# Altium PCB Robot-MainBoard V4.0.PcbDoc (part 1 of 2)
Units mm, origin at the board's own origin, x right, y up, seen from the top; angles counter-clockwise.
Board outline 220 x 90 mm, 2 copper layers (Top Layer, Bottom Layer); 80 components, 69 nets, 291 pads, 118 vias.
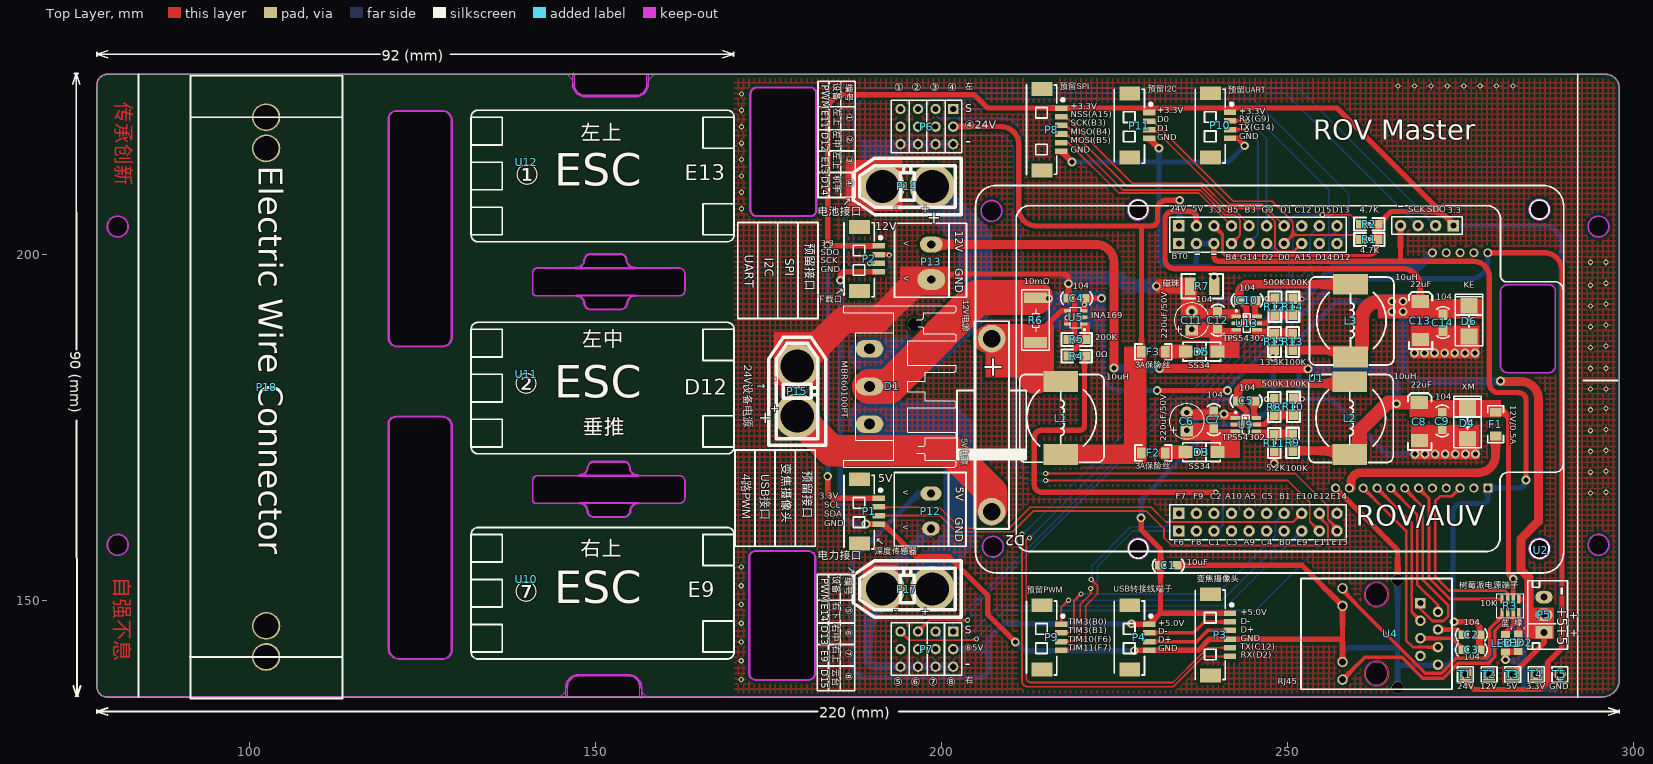
[diagram p0: Top Layer view]
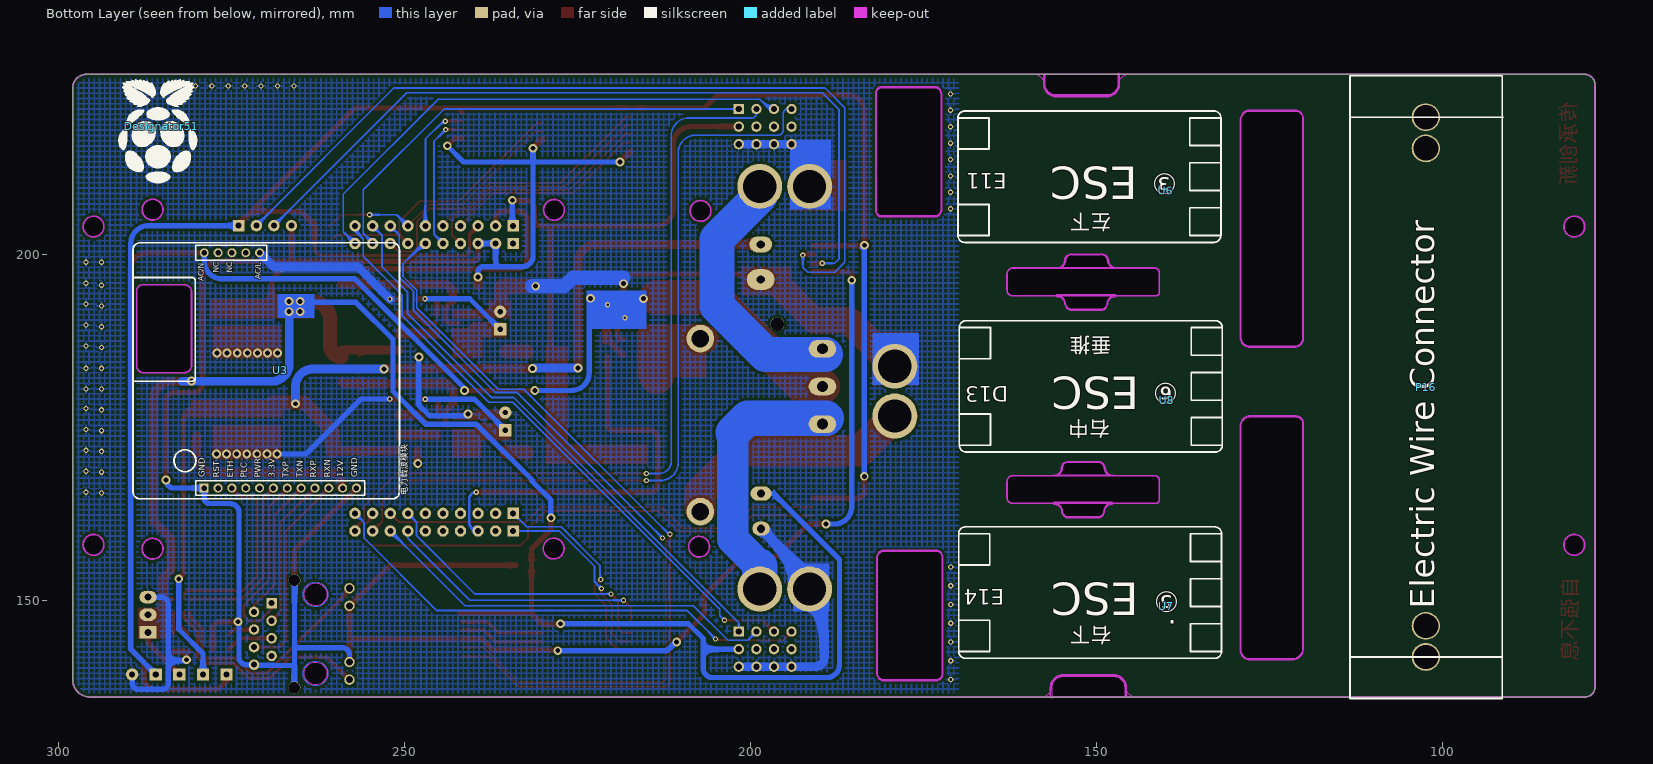
[diagram p1: Bottom Layer view, seen from below]

## Layer stack, top to bottom
Top Solder: solder mask 0.0102, Solder Resist, Dk 3.5
Top Layer: signal copper 0.0356
Dielectric 1: dielectric 0.32, FR-4, Dk 4.8
Bottom Layer: signal copper 0.0356
Bottom Solder: solder mask 0.0102, Solder Resist, Dk 3.5

## Board outline
79.5,136 cw(c79.5,137.5) 78,137.5 78,224.5 cw(c79.5,224.5) 79.5,226 296,226 cw(c296,224) 298,224 298,138.5 cw(c295.5,138.5) 295.5,136
cut-out: 147.242,197.873 ccw(c147.26,199.178) 147.403,197.881 ccw(c147.447,198.001) 147.447,197.873 155.651,197.873 ccw(c155.651,198.001) 155.779,198.001 ccw(c155.651,198.001) 155.654,198.128 ccw(c155.651,198.001) 155.651,198.128 155.654,198.128 cw(c155.673,199.165) 154.636,199.184 ccw(c154.508,199.187) 154.636,199.187 ccw(c154.508,199.187) 154.635,199.2 ccw(c153.632,199.098) 153.537,200.102 149.539,200.102 ccw(c149.39,199.022) 148.312,199.18 ccw(c148.438,199.161) 148.31,199.163 cw(c147.26,199.178) 147.246,198.128 ccw(c147.244,198.001)
cut-out: 147.725,167.876 ccw(c147.743,169.181) 147.886,167.884 ccw(c147.93,168.003) 147.93,167.876 156.134,167.876 ccw(c156.134,168.003) 156.261,168.003 ccw(c156.134,168.003) 156.136,168.131 ccw(c156.134,168.003) 156.134,168.131 156.136,168.131 cw(c156.155,169.168) 155.118,169.187 ccw(c154.991,169.189) 155.118,169.189 ccw(c154.991,169.189) 155.118,169.202 ccw(c154.114,169.1) 154.019,170.104 150.021,170.104 ccw(c149.873,169.024) 148.794,169.182 ccw(c148.92,169.164) 148.793,169.166 cw(c147.743,169.181) 147.728,168.131 ccw(c147.726,168.003)
cut-out: 147.725,167.876 ccw(c147.743,169.181) 147.886,167.884 ccw(c147.93,168.003) 147.93,167.876 156.134,167.876 ccw(c156.134,168.003) 156.261,168.003 ccw(c156.134,168.003) 156.136,168.131 ccw(c156.134,168.003) 156.134,168.131 156.136,168.131 cw(c156.155,169.168) 155.118,169.187 ccw(c154.991,169.189) 155.118,169.189 ccw(c154.991,169.189) 155.118,169.202 ccw(c154.114,169.1) 154.019,170.104 150.021,170.104 ccw(c149.873,169.024) 148.794,169.182 ccw(c148.92,169.164) 148.793,169.166 cw(c147.743,169.181) 147.728,168.131 ccw(c147.726,168.003)
cut-out: 148.361,192.814 ccw(c147.324,192.833) 148.361,192.833 ccw(c147.324,192.833) 147.343,193.87 cw(c147.345,193.997) 147.345,194.125 cw(c147.345,193.997) 147.348,194.125 147.345,194.125 155.55,194.125 cw(c155.55,193.997) 155.593,194.117 cw(c155.736,192.82) 155.755,194.125 cw(c155.753,193.997) 155.88,193.997 cw(c155.753,193.997) 155.751,193.87 ccw(c155.736,192.82) 154.686,192.835 ccw(c154.559,192.837) 154.686,192.837 154.686,192.835 cw(c154.559,192.837) 154.685,192.818 cw(c153.606,192.976) 153.458,191.897 149.46,191.897 cw(c149.365,192.9) 148.362,192.799 cw(c148.488,192.811)
cut-out: 148.818,162.816 ccw(c147.781,162.836) 148.818,162.836 ccw(c147.781,162.836) 147.8,163.873 cw(c147.803,164) 147.803,164.127 cw(c147.803,164) 147.805,164.127 147.803,164.127 156.007,164.127 cw(c156.007,164) 156.051,164.12 cw(c156.193,162.823) 156.212,164.127 cw(c156.21,164) 156.337,164 cw(c156.21,164) 156.208,163.873 ccw(c156.193,162.823) 155.144,162.838 ccw(c155.016,162.839) 155.144,162.839 155.144,162.838 cw(c155.016,162.839) 155.142,162.821 cw(c154.064,162.979) 153.915,161.899 149.917,161.899 cw(c149.822,162.903) 148.819,162.801 cw(c148.946,162.814)
cut-out: 141.468,194 cw(c141.468,194.5) 140.968,194.5 140.968,197.3 cw(c141.668,197.3) 141.668,198 162.122,198 cw(c162.122,197.154) 162.968,197.154 162.968,194.783 cw(c162.185,194.783) 162.185,194
cut-out: 141.468,164 cw(c141.468,164.5) 140.968,164.5 140.968,167.3 cw(c141.668,167.3) 141.668,168 162.122,168 cw(c162.122,167.154) 162.968,167.154 162.968,164.783 cw(c162.185,164.783) 162.185,164
cut-out: 157.688,225.901 157.688,224.549 cw(c155.912,224.549) 155.912,222.773 148.508,222.773 cw(c148.508,224.549) 146.733,224.549 146.733,226.001 cw(c146.86,226.001) 146.988,226.001 146.988,224.549 ccw(c148.508,224.549) 148.508,223.028 155.912,223.028 ccw(c155.912,224.549) 157.433,224.549 157.433,225.901 cw(c157.56,225.901)
cut-out: 157.688,225.901 ccw(c157.56,225.901) 157.56,226.028 146.985,226.028 ccw(c146.86,226.001) 146.733,226.001 146.733,224.549 ccw(c148.508,224.549) 148.508,222.773 155.912,222.773 ccw(c155.912,224.549) 157.688,224.549
cut-out: 159.182,226.009 ccw(c159.101,224.468) 157.56,224.549 cw(c155.912,224.549) 155.912,222.901 148.508,222.901 cw(c148.508,224.549) 146.86,224.549 ccw(c145.374,224.514) 145.339,226.001 145.347,226.009
cut-out: 144.247,135.992 ccw(c144.327,137.532) 145.868,137.452 cw(c147.516,137.452) 147.516,139.1 154.92,139.1 cw(c154.92,137.452) 156.568,137.452 ccw(c158.055,137.487) 158.09,136 158.081,135.992
cut-out: 145.741,136.1 ccw(c145.868,136.1) 145.868,135.973 156.444,135.973 ccw(c156.568,136) 156.695,136 156.695,137.452 ccw(c154.92,137.452) 154.92,139.227 147.516,139.227 ccw(c147.516,137.452) 145.741,137.452
cut-out: 145.741,136.1 145.741,137.452 cw(c147.516,137.452) 147.516,139.227 154.92,139.227 cw(c154.92,137.452) 156.695,137.452 156.695,136 cw(c156.568,136) 156.441,136 156.441,137.452 ccw(c154.92,137.452) 154.92,138.973 147.516,138.973 ccw(c147.516,137.452) 145.995,137.452 145.995,136.1 cw(c145.868,136.1)
cut-out: 120.073,187.892 120.073,219.609 cw(c121.291,219.609) 121.291,220.827 127.9,220.827 cw(c127.9,219.4) 129.32,219.542 cw(c129.2,219.5) 129.327,219.5 129.327,187.99 cw(c127.91,187.99) 127.91,186.573 121.392,186.573 cw(c121.392,187.892)
cut-out: 120.073,143.066 120.073,175.489 cw(c121.211,175.489) 121.211,176.627 128,176.627 cw(c128,176.5) 128.042,176.62 cw(c127.9,175.2) 129.327,175.2 129.327,142.79 cw(c127.91,142.79) 127.91,141.373 121.766,141.373 cw(c121.766,143.066)
cut-out: 205.782,206.296 ccw(c207.282,206.296) 207.282,204.796 ccw(c207.282,206.296) 208.782,206.296 ccw(c207.282,206.296) 207.282,207.796 ccw(c207.282,206.296)
cut-out: 205.975,157.725 cw(c207.475,157.725) 207.475,159.225 cw(c207.475,157.725) 208.975,157.725 cw(c207.475,157.725) 207.475,156.225 cw(c207.475,157.725)
cut-out: 81,202.5 cw(c81,204) 79.5,204 cw(c81,204) 81,205.5 cw(c81,204) 82.5,204 cw(c81,204)
cut-out: 81,156.5 cw(c81,158) 79.5,158 cw(c81,158) 81,159.5 cw(c81,158) 82.5,158 cw(c81,158)
cut-out: 173.415,205.385 cw(c173.415,206.438) 172.377,206.269 cw(c172.49,206.326) 172.363,206.326 172.363,223.151 cw(c173.43,223.151) 173.43,224.219 181.051,224.219 cw(c181.051,223.218) 182.052,223.218 182.052,206.326 cw(c181.925,206.326) 182.051,206.313 cw(c181.086,206.351) 181.086,205.385
cut-out: 172.191,139.367 172.191,156.259 cw(c172.318,156.259) 172.192,156.272 cw(c173.157,156.234) 173.157,157.2 180.828,157.2 cw(c180.828,156.147) 181.866,156.316 cw(c181.753,156.259) 181.88,156.259 181.88,139.434 cw(c180.813,139.434) 180.813,138.366 173.192,138.366 cw(c173.192,139.367)
cut-out: 293.5,158 ccw(c295,158) 295,156.5 ccw(c295,158) 296.5,158 ccw(c295,158) 295,159.5 ccw(c295,158)
cut-out: 293.5,204 ccw(c295,204) 295,202.5 ccw(c295,204) 296.5,204 ccw(c295,204) 295,205.5 ccw(c295,204)

## Design rules (kind name [scope] priority, off if disabled: settings)
Clearance [All] p1: gap=0.203
ComponentClearance [All] p1: gap=0 collisioncheckmode=3 verticalgap=0 showdistances=FALSE
DiffPairsRouting [All] p1: maxlimit=0.254 minlimit=0.254 mostfreqgap=0.254 toplayer_minwidth=0.381 toplayer_maxwidth=0.381 toplayer_prefwidth=0.381 bottomlayer_minwidth=0.381 bottomlayer_maxwidth=0.381 bottomlayer_prefwidth=0.381 maxuncoupledlength=12.7
PolygonConnect [All] p1: connectstyle=Relief reliefconductorwidth=0.254 reliefentries=4 polygonreliefangle="90 Angle" airgapwidth=0.254
RoutingVias [All] p1: holewidth=0.711 width=1.27 viastyle="Through Hole" minholewidth=0.711 minwidth=1.27 maxholewidth=0.711 maxwidth=1.27
SolderMaskExpansion [All] p1: expansion=0.102
Width [All] p1: maxlimit=5.08 minlimit=0.254 preferedwidth=0.254
28 further rules are at their usual default settings.

## Classes and differential pairs
component class "Robot-Power V4.0": C3 C5 C6 C7 C8 C9 C10 C11 C12 C13 C14 D1 D3 D4 D5 D6 F2 F3 L1 L2 L3 P14 P15 P16 P17 P18 R4 R5 R6 R7 R8 R9 R10 R11 R12 R13 R14 R15 T1 T2 T3 T4 T5 U5 U6 U7 U8 U9 U10 U11 U12 U13 U?
component class "Robot-Control V4.0": C1 C2 C3 F1 LED1 LED2 P1 P2 P3 P4 P5 P6 P7 P8 P9 P10 P11 P12 P13 R1 R2 R3 U1 U2 U3 U4
differential pair EPHY_TX: +EPHY_TX_P -EPHY_TX_N
differential pair EPHY_RX: +EPHY_RX_P -EPHY_RX_N

## Components (designator, comment, footprint, x,y, rotation, side; value= is the part's Value field where it differs from the comment)
C1 "10uF" 0805C 233.858,155.042 r180 top
C2 "104" 0805C 277.659,145 r180 top
C3 "104" 0805C 277.659,142.841 r180 top
C4 "104" 0805C 218.547,193.624 r0 top
C5 "104" 0805C 243.052,178.791 r0 top
C6 "220uF/50V" RB.1.2 235.482,174.574 r90 top
C7 "104" 0805C 239.394,177.114 r270 top
C8 "22uF" TAJ-C 269.112,178.562 r90 top
C9 "104" 0805C 272.414,174.879 r90 top
C10 "104" 0805C 243.204,193.319 r0 top
C11 "220uF/50V" RB.1.2 236.219,189.154 r90 top
C12 "104" 0805C 239.953,191.491 r270 top
C13 "22uF" TAJ-C 269.239,193.167 r90 top
C14 "104" 0805C 272.516,189.103 r90 top
D1 "MBR60100PT" TO-247LS 196.2,189.875 r270 top
D2 "二极管" 二极管(大功率) 207.3,172.8 r270 top
D3 "SS34" SMA/DO-214AC 235.508,171.374 r0 top
D4 "XM" SMBJ 276.097,173.355 r180 top
D5 "SS34" SMA/DO-214AC 235.533,185.903 r0 top
D6 "KE" SMBJ 276.326,188.112 r180 top
Designator51 "Comment" "Raspberry Pi LOGO" 285.2,218.5 r0 bottom
F1 "12V/0.5A" FUSE-1206 280.175,177.125 r270 top
F2 "3A保险丝" FUSE-1206 228.98,171.323 r0 top
F3 "3A保险丝" FUSE-1206 228.98,185.928 r0 top
L1 "10uH" CDRH124 215.113,179.121 r270 top
L2 "10uH" CDRH124 256.896,179.095 r270 top
L3 "10uH" CDRH124 256.997,193.192 r270 top
LED1 "蓝" 0805LED(RED) 281.7,144.998 r270 top
LED2 "绿" 0805LED(RED) 283.515,145.034 r270 top
P1 "深度传感器" MX1.25WS-4P 188.265,167.513 r270 top
P2 "下载口" MX1.25WS-4P 188.265,203.987 r270 top
P3 "变焦摄像头" MX1.25WS-6P 239.014,150.8 r270 top
P4 "USB转接线端子" MX1.25WS-4P 227.33,149.306 r270 top
P5 "树莓派电源端子" XH3/2.54mm/180 287.2,145.4 r90 top
P6 "左" "Header 4X3" 201.76,220.98 r180 top
P7 "右" "Header 4X3" 201.76,145.466 r180 top
P8 "预留SPI" MX1.25WS-6P 214.63,223.799 r270 top
P9 "预留PWM" MX1.25WS-4P 214.63,149.306 r270 top
P10 "预留UART" MX1.25WS-4P 239.014,223.291 r270 top
P11 "预留I2C" MX1.25WS-4P 227.33,223.266 r270 top
P12 "5V电源" KF128-2P#1 198.501,165.557 r270 top
P13 "12V电源" KF128-2P#2 198.55,201.55 r270 top
P14 "电池接口" XT60-F 199.2,209.8 r180 top
P15 "24V设备电源" XT60-F 179.197,176.124 r90 top
P16 "7位一体接线端子排" 7/8一体接线端子 113.106,135.788 r90 bottom
P17 "电力接口" XT60-F 199.2,151.613 r180 top
P18 "7位一体接线端子排" 7/8一体接线端子 113.2,225.8 r270 top
R1 "4.7K" 0805R 262.915,202.159 r180 top
R2 "4.7K" 0805R 262.89,204.368 r180 top
R3 "10K" 排阻(4位贴片) 283.464,150.114 r270 top
R4 "0Ω" 0805R 220.6,185.3 r180 top
R5 "200K" 0805R 220.605,187.706 r180 top
R6 "10mΩ" 2512R 213.67,187.274 r90 top
R7 "磁珠" 1210R 236.017,195.377 r0 top
R8 "500K" 0805R 248.157,176.886 r90 top
R9 "100K" 0805R 250.773,173.761 r270 top
R10 "100K" 0805R 250.875,178.968 r270 top
R11 "5.2K" 0805R 248.157,171.679 r90 top
R12 "500K" 0805R 248.259,191.389 r90 top
R13 "100K" 0805R 250.773,188.341 r270 top
R14 "100K" 0805R 250.799,193.421 r270 top
R15 "13.3K" 0805R 248.208,186.284 r90 top
T1 "24V" "HEADER 1"#1 275.895,139.268 r0 top
T2 "12V" "HEADER 1"#1 279.305,139.268 r0 top
T3 "5V" "HEADER 1"#1 282.715,139.268 r0 top
T4 "3.3V" "HEADER 1"#1 286.125,139.268 r0 top
T5 "GND" "HEADER 1"#2 289.535,139.268 r0 top
U1 "ROV/AUV" ROV_CONTROLLER 247.091,183.896 r0 top locked
U2 "" "Raspberry Pi 外框" 286.639,157.226 r180 top locked
U3 "电力载波模块" 电力载波模块6410 289.281,165.151 r90 bottom locked
U4 "RJ45" RJ45 262.89,139.192 r90 top
U5 "INA169" SOT23-5 220.681,189.967 r90 top
U6 "电调外框" 电调外框 140.068,209.2 r0 bottom locked
U7 "电调外框" 电调外框 139.968,149.1 r0 bottom locked
U8 "电调外框" 电调外框 139.868,178.9 r0 bottom locked
U9 "TPS54302" SOT23-6 242.594,176.352 r0 top
U10 "电调外框" 电调外框 140.068,153 r0 top locked
U11 "电调外框" 电调外框 140.068,182.65 r0 top locked
U12 "电调外框" 电调外框 140.068,213.3 r0 top locked
U13 "TPS54302" SOT23-6 242.696,191.008 r0 top

## Footprints (in the part's own frame and the unit in brackets; to place one, negate y for a bottom-side part, rotate by r counter-clockwise, add the part's x,y. Pads: shape width x height; smd on the part's side, far side on the other; paste and mask are expansions set on the pad)
7/8一体接线端子 [mm]
  round 4 hole 3.5: 0(6,-10.7) 0(10.5,-10.7) 0(79.5,-10.7) 0(84,-10.7)
  silkscreen extent 0,-21.8 90,0.3
0805C [mil]
  rect 60x50 smd: 1(-5,0) 2(85,0)
  silkscreen extent -50,-35 131,36, body extent -16,-26 102,29, height 37
0805LED(RED) [mil]
  rect 40x50 smd: 1(-2.98,-4.95) 2(97.02,-4.95)
  silkscreen extent -37,-25 70,31, body extent 13,-25 80,11, height 35
0805R [mil]
  rect 60x50 smd: 1(-4.51,1.2) 2(85.49,1.2)
  silkscreen extent -46,-36 126,37, body extent -1,-23 78,26, height 18
1210R [mil]
  rect 60x100 smd: 1(0,0) 2(135,0)
  silkscreen extent -50,-70 185,70, body extent -12,-49 146,49, height 67
2512R [mil]
  rect 61x129.92 smd: 1(-1.11,1) 2(253.89,1)
  silkscreen extent -45,-78 298,80, body extent 2,-64 251,62, height 24
CDRH124 [mm]
  rect 3x5 smd: 1(-2.469,2.159) 2(8.057,2.159)
  silkscreen extent -3.51,-3.76 9.19,8.43, body extent -3.11,-3.77 8.89,8.23, height 4.55
FUSE-1206 [mil]
  rect 50x65 smd: 1(-1,-2) 2(134,-2)
  silkscreen extent -39,-47 172,43, body extent 1,-36 127,28, height 34
"HEADER 1"#1 [mil]
  rect 70x70 hole 35: 1(-5,0)
  silkscreen extent -50,-45 40,44
"HEADER 1"#2 [mil]
  round 70 hole 35: 1(-5,0)
  silkscreen extent -50,-45 40,44
"Header 4X3" [mm]
  rect 1.5x1.5 hole 0.9: 1(0.025,0)
  round 1.5 hole 0.9: 2(0.025,2.54) 3(0.025,5.08) 4(2.565,0) 5(2.565,2.54) 6(2.565,5.08) 7(5.105,0) 8(5.105,2.54) 9(5.105,5.08) 10(7.645,0) 11(7.645,2.54) 12(7.645,5.08)
  silkscreen extent -1.24,-1.27 9,6.35, body extent -1.24,-1.27 8.92,6.35, height 7.58
KF128-2P#1 [mil]
  oval 80x120 hole 47.24: 1(5.28,0.94)
  oval 80x100 hole 47.24: 2(205.28,0.94)
  silkscreen extent -115,-208 305,201, body extent -115,-211 305,203, height 557
KF128-2P#2 [mil]
  oval 90x130 hole 47.24: 1(5.28,0.94)
  oval 118.11x157.48 hole 47.24: 2(205.28,0.94)
  silkscreen extent -115,-208 305,201, body extent -115,-211 305,203, height 557
MX1.25WS-4P [mm]
  rect 2x3 smd: 0(0.042,-0.076) 0(9.306,-0.076)
  rect 0.8x1.778 smd: 1(2.785,2.734) 2(4.035,2.734) 3(5.285,2.734) 4(6.535,2.734)
  silkscreen extent -0.56,-2.3 10.12,3.17, body extent -0.47,-2.04 9.68,3.15, height 3.4
MX1.25WS-6P [mm]
  rect 2x3 smd: 0(-0.065,-0.076) 0(11.699,-0.076)
  rect 0.8x1.778 smd: 1(2.678,2.734) 2(3.928,2.734) 3(5.178,2.734) 4(6.428,2.734) 5(7.678,2.734) 6(8.928,2.734)
  silkscreen extent -0.67,-2.3 12.27,3.17, body extent -0.43,-2.29 12.22,2.9, height 3.4
"Raspberry Pi LOGO" [mm]
  silkscreen extent -5.23,-6.73 6.2,8.28
"Raspberry Pi 外框" [mm]
  Keep-Out Layer circle w0.254: c0.177,-0.212 r1.5
  Keep-Out Layer circle w0.254: c0.177,-49.208 r1.5
  Keep-Out Layer circle w0.254: c58.191,-49.183 r1.5
  Keep-Out Layer circle w0.254: c58.14,-0.237 r1.5
  Keep-Out Layer board cut-out: -1.323,-0.212 -1.209,0.362 -0.884,0.849 -0.397,1.174 0.177,1.288 0.177,1.288 0.751,1.174 1.238,0.849 1.563,0.362 1.677,-0.212 1.677,-0.212 1.563,-0.786 1.238,-1.272 0.751,-1.597 0.177,-1.712 0.177,-1.712 -0.397,-1.597 -0.884,-1.272 -1.209,-0.786 -1.323,-0.212
  Keep-Out Layer board cut-out: -1.323,-49.208 -1.209,-48.634 -0.884,-48.148 -0.397,-47.822 0.177,-47.708 0.177,-47.708 0.751,-47.822 1.238,-48.148 1.563,-48.634 1.677,-49.208 1.677,-49.208 1.563,-49.782 1.238,-50.269 0.751,-50.594 0.177,-50.708 0.177,-50.708 -0.397,-50.594 -0.884,-50.269 -1.209,-49.782 -1.323,-49.208
  Keep-Out Layer board cut-out: 56.691,-49.183 56.805,-48.609 57.13,-48.122 57.617,-47.797 58.191,-47.683 58.191,-47.683 58.765,-47.797 59.251,-48.122 59.577,-48.609 59.691,-49.183 59.691,-49.183 59.577,-49.757 59.251,-50.244 58.765,-50.569 58.191,-50.683 58.191,-50.683 57.617,-50.569 57.13,-50.244 56.805,-49.757 56.691,-49.183
  Keep-Out Layer board cut-out: 56.64,-0.237 56.754,0.337 57.079,0.824 57.566,1.149 58.14,1.263 58.14,1.263 58.714,1.149 59.201,0.824 59.526,0.337 59.64,-0.237 59.64,-0.237 59.526,-0.811 59.201,-1.298 58.714,-1.623 58.14,-1.737 58.14,-1.737 57.566,-1.623 57.079,-1.298 56.754,-0.811 56.64,-0.237
  silkscreen extent -3.33,-52.72 81.67,3.28
RB.1.2 [mil]
  rect 70x70 hole 30: 1(0,0)
  round 70 hole 30: 2(100,0)
  silkscreen extent -50,-100 150,100, body extent -28,-73 130,85, height 278
RJ45 [mm]
  rect 1.524x1.524 hole 0.889: 1(10.38,-6.369)
  round 1.524 hole 0.889: 2(9.11,-8.909) 3(7.84,-6.369) 4(6.57,-8.909) 5(5.3,-6.369) 6(4.03,-8.909) 7(2.76,-6.369) 8(1.49,-8.909)
  round 1.5 hole 1.02: 9(12.53,4.881) 10(9.994,4.881) 11(1.866,4.881) 12(-0.67,4.881)
  round 1.7 hole 1.65: 13(13.68,-3.067) 14(-1.82,-3.067)
  round 2.95 hole 3.25: MH3(0.214,-0.032) MH3(11.644,-0.032)
  Keep-Out Layer circle w0.051: c11.646,-0.019 r1.65
  Keep-Out Layer circle w0.051: c0.216,-0.019 r1.65
  Multi-Layer circle w0.127: c0.214,-0.032 r1.798
  Multi-Layer circle w0.127: c11.644,-0.032 r1.798
  silkscreen extent -2.07,-10.94 13.93,10.9, body extent -2.09,-10.6 13.79,10.8, height 14
ROV_CONTROLLER [mil]
  rect 65x65 hole 34: 1(-502.07,694.74) 20(-502.07,795.13) 41(-502.07,-941.03) 60(-502.07,-840.64) 61(1059.8,796.2)
  round 65 hole 34: 2(-402.07,694.74) 3(-302.07,694.74) 4(-202.07,694.74) 5(-102.27,694.74) 6(-2.27,694.74) 8(197.54,694.74) 10(397.93,694.74) 11(397.93,795.13) 13(197.54,795.13) 15(-2.27,795.13) 16(-102.27,795.13) 17(-202.07,795.13) 18(-302.07,795.13) 19(-402.07,795.13) 42(-402.07,-941.03) 43(-302.07,-941.03) 44(-202.07,-941.03) 45(-102.27,-941.03) 46(-2.27,-941.03) 48(197.54,-941.03) 50(397.93,-941.03) 51(397.93,-840.64) 53(197.54,-840.64) 55(-2.27,-840.64) 56(-102.27,-840.64) 57(-202.07,-840.64) 58(-302.07,-840.64) 59(-402.07,-840.64) 62(959.8,796.2) 63(859.8,796.2) 64(759.8,796.2)
  round 65 hole 34 paste+0: 7(97.54,694.74) 9(297.93,694.74) 12(297.93,795.13) 14(97.54,795.13) 47(97.54,-941.03) 49(297.93,-941.03) 52(297.93,-840.64) 54(97.54,-840.64)
  silkscreen extent -1427,-1058 1685,910, body extent -561,-989 1109,844, height 335
SMA/DO-214AC [mm]
  rect 2x1.75 smd: 1(-0.178,0.025) 2(4.422,0.025)
  silkscreen extent -0.58,-1.32 4.82,1.38, body extent -0.38,-1.32 4.73,1.35, height 2.12
SMBJ [mil] "TVS瞬态抑制二极管"
  rect 98x90 smd: 1(1.65,0.6) 2(1.65,-174.4)
  silkscreen extent -77,-240 80,52, body extent -50,-196 55,5, height 83
SOT23-5 [mm]
  rect 0.5x1 smd: 1(-0.051,0.051) 2(0.899,0.051) 3(1.849,0.051) 4(1.849,2.451) 5(-0.051,2.451)
  silkscreen extent -0.99,-0.15 2.4,2.05, body extent -0.55,-0.15 2.35,2.65, height 1.09
SOT23-6 [mm]
  rect 1.4x0.55 smd: 1(-0.051,-0.025) 2(-0.051,-0.975) 3(-0.051,-1.925) 4(2.949,-1.925) 5(2.949,-0.975) 6(2.949,-0.025)
  silkscreen extent -0.15,-2.31 1.96,0.91, body extent 0.07,-2.47 2.88,0.53, height 1.15
TAJ-C [mm]
  rect 1.905x2.5 smd: 1(0,0) 2(-5.505,-0.025)
  silkscreen extent -6.86,-1.73 1.35,1.65, body extent -5.77,-1.68 0.22,1.52, height 2.6
TO-247LS [mm]
  round 2 hole 2: 0(-0.008,-0.02)
  round 0 all layers, no hole: 0(17.992,-0.02)
  oval 2.54x4 hole 1.575: 1(3.542,-6.552) 2(8.992,-6.552) 3(14.442,-6.552)
  silkscreen extent -2.71,-10.25 20.69,5.95, body extent -2.46,-10.33 20.44,6.07, height 30.62
XH3/2.54mm/180 [mm]
  rect 1.8x2.5 hole 1: 1(-0.045,0.08)
  oval 1.8x2.5 hole 1: 2(2.495,0.08) 3(5.035,0.08)
  silkscreen extent -2.5,-3.32 7.4,2.43, body extent -2.5,-3.32 7.4,2.43, height 7
XT60-F [mm]
  round 6.5 hole 4.8: 1(0.489,0) 2(7.689,0)
  silkscreen extent -3.71,-4.1 11.89,4.1, body extent -3.81,-4.06 12.09,4.09, height 16.5
二极管(大功率) [mm]
  round 4 hole 2.5: 1(-15,0) 2(10,0)
  silkscreen extent -17.5,-5 12.5,5
排阻(4位贴片) [mm]
  rect 1.22x0.45 smd: 1(-0.051,0.013) 2(1.869,0.013) 3(-0.051,-0.787) 4(1.869,-0.787) 5(-0.051,-1.587) 6(1.869,-1.587) 7(-0.051,-2.387) 8(1.869,-2.387)
  silkscreen extent -0.81,-3.14 2.64,0.76, body extent 0.1,-2.79 1.7,0.41, height 0.59
电力载波模块6410 [mm]
  round 1.3 hole 0.8: 0(35.059,-16.289) 2(1.059,-12.289) 3(1.059,-14.289) 4(1.059,-16.289) 5(1.059,-18.289) 6(1.059,-20.289) 7(1.059,-22.289) 8(1.059,-24.289) 9(1.059,-26.289) 10(1.059,-28.289) 11(1.059,-30.289) 12(1.059,-32.289) 13(35.059,-18.289) 14(35.059,-14.289) 15(35.059,-12.289) 16(35.059,-10.289)
  rect 1.3x1.3 hole 0.8: 1(1.059,-10.289)
  Keep-Out Layer board cut-out: 17.729,-7.417 17.729,-1.46 17.8,-1.106 18.001,-0.805 18.301,-0.604 18.656,-0.533 18.656,-0.533 29.567,-0.533 29.567,-0.533 29.998,-0.649 30.314,-0.965 30.429,-1.396 30.429,-1.396 30.429,-7.404 30.349,-7.808 30.121,-8.15 29.779,-8.378 29.375,-8.458 29.375,-8.458 18.771,-8.458 18.372,-8.379 18.034,-8.153 17.808,-7.815 17.729,-7.417
  Keep-Out Layer lines w0.254: 18.771,-8.458 cw(c18.771,-7.417) 17.729,-7.417 17.729,-1.46 cw(c18.656,-1.46) 18.656,-0.533 29.567,-0.533 cw(c29.567,-1.396) 30.429,-1.396 30.429,-7.404 cw(c29.375,-7.404) 29.375,-8.458 18.771,-8.458
  silkscreen extent -0.5,-38.5 36.5,0, body extent -0.15,-33.42 36.3,-8.87, height 4.35
电调外框 [mm]
  silkscreen extent -8,-11.5 30,7.5

## Part data
C1 C2 C3 C4 C5 C7 C9 C10 C12 C14: library part Cap1, "无极贴片电容"
C6 C11: library part Cap3, "直插极性电容"
C8 C13: library part "Pol Cap", "极性贴片电容"
D2: library part Diode
D3 D4 D5 D6: library part Diode, "二极管"
F1 F2 F3: library part Fuse, "保险丝"
L1 L2 L3: library part L, "电感"
LED1 LED2: library part LED, "发光二极管"
P1 P2 P4 P9 P10 P11: library part 接线端子-4PIN, "4PIN"
P3 P8: library part 接线端子-6PIN, "6PIN"
P5: library part 接线端子-3PIN, "3PIN"
P6 P7: library part "Header 4X3"
P12 P13 P17: library part 接线端子-2PIN, "2PIN"
P14: library part 电源端子
P15: library part 推进器电源
R1 R2 R4 R5 R6 R7 R8 R9 R10 R11 R12 R13 R14 R15: library part Res, "电阻"
R3: library part Res-4, "排阻"
T1 T2 T3 T4 T5: library part 测试点, "测试点"
U1: library part ROV_Controler
U2: library part "Raspberry Pi 外框"
U3: library part 电力载波模块6410
U6 U7 U8 U10 U11 U12: library part 电调

## Via types
v1: diameter 0.762, hole 0.406, Top Layer to Bottom Layer, 58 vias
v2: diameter 1.27, hole 0.711, Top Layer to Bottom Layer, 49 vias
v3: diameter 0.762, hole 0.381, Top Layer to Bottom Layer, 11 vias

## Nets (pads, with @x,y where several pads share a name; then routed paths per layer and width w, separated by ;. In a path a pad name is that pad's centre, name@x,y a point inside that pad or via, vN(x,y) a via of type N, cw(c..) or ccw(c..) an arc to the next point about the centre after c; other vN are vias at no path point)
3.3V: P1.1 P2.1 P8.1 P10.1 P11.1 R1.1 R2.1 T4.1 U1.18 U1.61 | length 292.9
  Top Layer w0.457: 240.653,202.858 240.676,202.835 240.676,200.192 241.046,199.822 261.957,199.822 ccw(c261.957,200.895) 263.03,200.895 R1.1@263.03,202.128
  Top Layer w0.508: U1.18@239.419,204.092 240.653,202.858
  Top Layer w0.762: v2(183.6,167.9) 183.6,165.365 184.237,164.728 P1.1@190.999,164.728 ; P2.1@190.999,201.203 183.684,201.203 cw(c183.684,201.295) v2(183.591,201.295) 183.591,220.523 cw(c186.131,220.523) 186.131,223.063 204.749,223.063 206.691,221.122 P8.1@217.364,221.122 257.211,221.122 272.161,206.172 ; P10.1@241.748,220.507 242.298,221.056 ; R2.1@263.005,204.338 R2.1@263.03,204.338 ; R1.1@263.03,202.128 R2.1@263.03,204.338 ; U1.61@274.01,204.12 274.01,204.323 272.161,206.172 ; R2.1@263.03,204.338 263.164,204.338 264.998,206.172 272.161,206.172
  Bottom Layer w0.762: v2(183.591,201.295) 183.566,201.27 183.9,200.935 183.6,200.635 v2(183.6,167.9) ; U1.61@274.01,204.12 287.06,204.12 cw(c287.06,201.58) 289.6,201.58 289.6,142.871 T4.1@285.998,139.268
5.0V: C1.2 C13.1 C14.2 D6.2 L3.2 P3.1 P4.1 P5.1 P5.2 P7.2 P12.1 R3.1 R13.2 T3.1 U1.19 | length 328.3
  Top Layer w0.508: R3.1@283.477,150.165 284.85,150.165 284.937,150.078
  Top Layer w0.762: v2(227.5,146.6) 227.579,146.521 P4.1@230.064,146.521 231.7,148.157 ; v2(228.9,161.9) 228.9,160.216 231.7,157.416 231.7,148.157 ; U1.19@236.879,204.092 236.879,205.262 ccw(c235.943,205.262) 235.943,206.197 233.434,206.197 ccw(c233.434,205.122) 232.359,205.122 232.359,199.246 ccw(c233.688,199.246) 233.688,197.917 238.915,197.917 238.941,197.942 239.951,197.942 239.976,197.917 266.699,197.917 cw(c266.699,195.377) 269.239,195.377 C13.1@269.239,193.167 ; P3.1@242.1,148.122 231.735,148.122 231.7,148.157 ; T3.1@282.588,139.268 287.12,143.8 P5.1@287.12,145.355
  Top Layer w1.27: R13.2@250.804,186.17 L3.2@259.156,186.17 ; v2@280.848,181.61 283.769,181.61 cw(c283.769,179.07) 286.309,179.07 286.309,161.392 283.794,158.877 283.794,154.407 284.937,153.264 284.937,150.078 284.937,145.186 ; P5.1@287.12,145.355 P5.2@287.12,147.895
  Top Layer w2.032: L3.2@259.156,185.135 ccw(c259.156,186.786) 260.688,186.17 ccw(c259.156,186.786) 260.807,186.786 260.807,190.627 cw(c263.347,190.627) 263.347,193.167 C13.1@269.239,193.167
  Bottom Layer w0.762: P12.1@198.525,165.423 196.741,165.423 187.198,155.88 187.198,140.665 ccw(c189.052,140.665) 189.052,138.811 205.537,138.811 ccw(c205.537,140.157) 206.883,140.157 206.883,142.9 ; P7.2@201.735,142.926 ccw(c201.76,142.926) 201.76,142.9 206.883,142.9 ; v2(227.5,146.6) 209.04,146.6 206.883,144.443 206.883,142.9 ; v2(228.9,161.9) 228.9,164.458 231.7,167.258 231.597,167.361 239.649,175.412 246.939,175.412 251.714,180.188 251.714,187.706 257.048,193.04 v2@266.624,193.04
  Bottom Layer w1.27: v2@266.7,192.634 266.7,184.175 ccw(c269.24,184.175) 269.24,181.635 282.194,181.635
  other v2: 280.848,181.686 265.125,191.694 266.751,191.694 265.125,193.192 266.751,193.192
12.0V: C8.1 C9.2 D4.2 F1.1 L2.2 P13.1 R3.3 R9.2 T2.1 | length 155.8
  Top Layer w0.508: R3.3@282.677,150.165 v2(282.677,153.086)
  Top Layer w0.762: 279.121,177.724 280.238,177.724 cw(c280.238,175.971) 281.991,175.971 281.991,153.772 v2(282.677,153.086)
  Top Layer w1.27: P13.1@198.574,201.416 222.402,201.416 cw(c222.402,198.876) 224.942,198.876 224.993,198.825 v2(224.993,183.54) ; v2(231.572,183.464) v2@253.009,183.464 ; R9.2@250.804,171.59 L2.2@260.452,171.59
  Top Layer w2.032: L2.2@260.452,171.59 260.452,174.447 264.566,178.562 C8.1@269.112,178.562
  Bottom Layer w0.762: T2.1@279.178,139.268 279.178,142.297 282.677,145.796 v2(282.677,153.086)
  Bottom Layer w1.27: v2(224.993,183.54) v2@231.343,183.54 ; v2(253.009,183.413) 263.271,183.413 cw(c263.271,180.873) 265.811,180.873 v2(265.811,178.384)
24.0V: F2.1 F3.1 L1.2 P6.2 U1.20 | length 69.5
  Top Layer w0.762: P6.2@201.735,218.44 208.66,218.44 cw(c208.66,215.9) 211.2,215.9 211.2,206.632 ccw(c213.74,206.632) 213.74,204.092 230.373,204.092 ccw(c230.373,204.987) 231.268,204.987 231.268,206.488 cw(c232.577,206.488) 232.577,207.797 v2(234.467,207.797) ; F3.1@228.955,185.877 228.955,204
  Bottom Layer w0.762: U1.20@234.339,204.092 234.467,204.221 v2(234.467,207.797)
BATTERY_24V: D1.1 P14.1 | length 38.5
  Bottom Layer w5.08: D1.1@189.2,185.5 197.9,185.5 204.9,192.5 204.9,202.2 198.711,208.389 P14.1@198.711,209.8
CAMERA_USB_D+: P3.3 P4.3 | length 12.3
  Top Layer w0.508: P4.3@230.064,144.021 236.927,144.021 238.528,145.622 P3.3@241.748,145.622
CAMERA_USB_D-: P3.2 P4.2 | length 12.3
  Top Layer w0.508: P4.2@230.064,145.271 236.471,145.271 238.072,146.872 P3.2@241.748,146.872
CURRENT_COLLECT(C1): R4.1 U1.43 | length 58.9
  Top Layer w0.762: R4.1@220.715,185.269 220.715,175.223 cw(c220.04,175.223) 220.04,174.549 214.478,174.549 ccw(c214.478,173.533) 213.462,173.533 213.462,166.689 ccw(c214.551,166.689) 214.551,165.6 v3(239.7,165.6)
  Bottom Layer w0.381: U1.43@239.419,159.994 ccw(c239.419,161.275) 240.7,161.275 240.7,164.6 ccw(c239.7,164.6) v3(239.7,165.6)
DGND: C1.1 C2.1 C3.1 P1.4 P2.4 P3.4 P4.4 P8.6 P10.4 P11.4 R7.2 U1.2 U1.3 U1.64 U3.1 U3.12 U4.8 U4.10 U4.11 U4.13 U4.14 | length 398.4
  Top Layer w0.762: v2(185.42,196.24) 185.42,196.995 cw(c185.877,196.995) 185.877,197.453 P2.4@190.999,197.453 ; v2(189.154,161.011) 190.967,161.011 cw(c190.967,160.978) P1.4@190.999,160.978 191.726,160.978 196.444,156.261 201.168,156.261 206.731,150.698 206.731,147.93 v2(210.718,143.942) ; P8.6@217.364,214.872 v2(218.923,213.313) ; v2(227.9,142.7) 227.971,142.771 P4.4@230.064,142.771 237.171,142.771 238.772,144.372 P3.4@241.748,144.372 ; P11.4@230.064,216.731 v2(231.48,215.316) ; C1.1@233.985,155.042 252.153,155.042 U4.10@258.009,149.186 258.009,144.3 ; U1.3@239.419,201.542 239.419,199.646 ccw(c240.055,199.646) 240.055,199.009 240.089,198.975 276.944,198.975 cw(c276.944,196.698) 279.222,196.698 279.222,181.369 ccw(c280.581,181.369) 280.581,180.01 283.383,180.01 cw(c283.383,178.862) 284.531,178.862 v2(284.531,167.386) ; P10.4@241.748,216.757 242.78,216.757 v2(243.865,215.671) ; 242.772,144.372 257.937,144.372 258.009,144.3 ; U3.12@256.992,166.21 265.957,157.245 U4.13@265.957,152.872 ; U4.11@257.69,141.376 U4.11@258.009,141.058 258.009,144.3 ; 266.39,199.009 U1.64@266.39,204.12 ; v2(274.117,146.888) 277.139,146.888 277.786,146.242 C2.1@277.786,145 C3.1@277.786,142.841
  Top Layer w1.27: R7.2@239.419,195.404 R7.2@239.446,195.377 v2(239.446,196.723)
  Bottom Layer w0.762: v2(185.42,196.24) 185.42,163.525 ccw(c187.935,163.525) 187.935,161.011 v2(189.154,161.011) ; v2(210.718,143.942) 210.718,144.094 212.113,142.7 v2(227.9,142.7) ; v2(218.923,213.313) 231.369,213.313 231.48,213.425 ; v2(231.48,215.316) 231.48,213.425 ; U1.3@239.419,201.542 U1.2@236.879,201.542 236.879,198.958 cw(c236.116,198.958) 236.116,198.196 ; v2(239.446,196.723) 239.446,197.434 ccw(c238.684,197.434) 238.684,198.196 236.116,198.196 ; v2(243.865,215.671) 241.507,213.313 231.48,213.313 ; U4.11@258.009,141.058 258.009,142.121 cw(c259.017,142.121) 259.017,143.129 265.862,143.129 ; U4.14@265.957,137.372 265.957,140.576 ; U4.13@265.957,152.872 265.957,140.576 ; v2(284.531,167.386) cw(c283.354,167.386) 283.354,166.21 U3.1@278.992,166.21 278.992,164.715 cw(c278.233,164.715) 278.233,163.957 275.26,163.957 ccw(c275.26,162.662) 273.964,162.662 273.964,141.732 cw(c272.914,141.732) 272.914,140.682 U4.8@271.799,140.682 cw(c271.681,140.682) 271.681,140.564 266.141,140.564 cw(c266.141,141.935) 265.957,140.576 ; 231.48,213.313 231.48,199.729 ccw(c233.013,199.729) 233.013,198.196 236.116,198.196 ; 231.48,213.313 231.48,213.425
EPHY_RX_N: U3.10 U4.6 | length 29.6
  Top Layer w0.381: U3.10@260.992,166.21 267.2,160.001 267.2,153.387 267.2,152.1 267.2,144.2 268.178,143.222 U4.6@271.799,143.222
EPHY_RX_P: U3.9 U4.3 | length 21.8
  Top Layer w0.381: U3.9@262.992,166.21 268,161.201 268,148.29 U4.3@269.259,147.032
EPHY_TX_N: U3.8 U4.2 | length 20.7
  Top Layer w0.381: U3.8@264.992,166.21 268.8,162.401 268.8,152.3 271.799,149.301 U4.2@271.799,148.302
EPHY_TX_P: U3.7 U4.1 | length 27
  Top Layer w0.381: U3.7@266.992,166.21 266.992,166.108 269.6,163.5 269.6,152.9 273.3,149.2 273.3,147.7 272.6,147 271,147 269.259,148.741 U4.1@269.259,149.572